# KiCad board current3x3A_Artiq.kicad_pcb (continued)
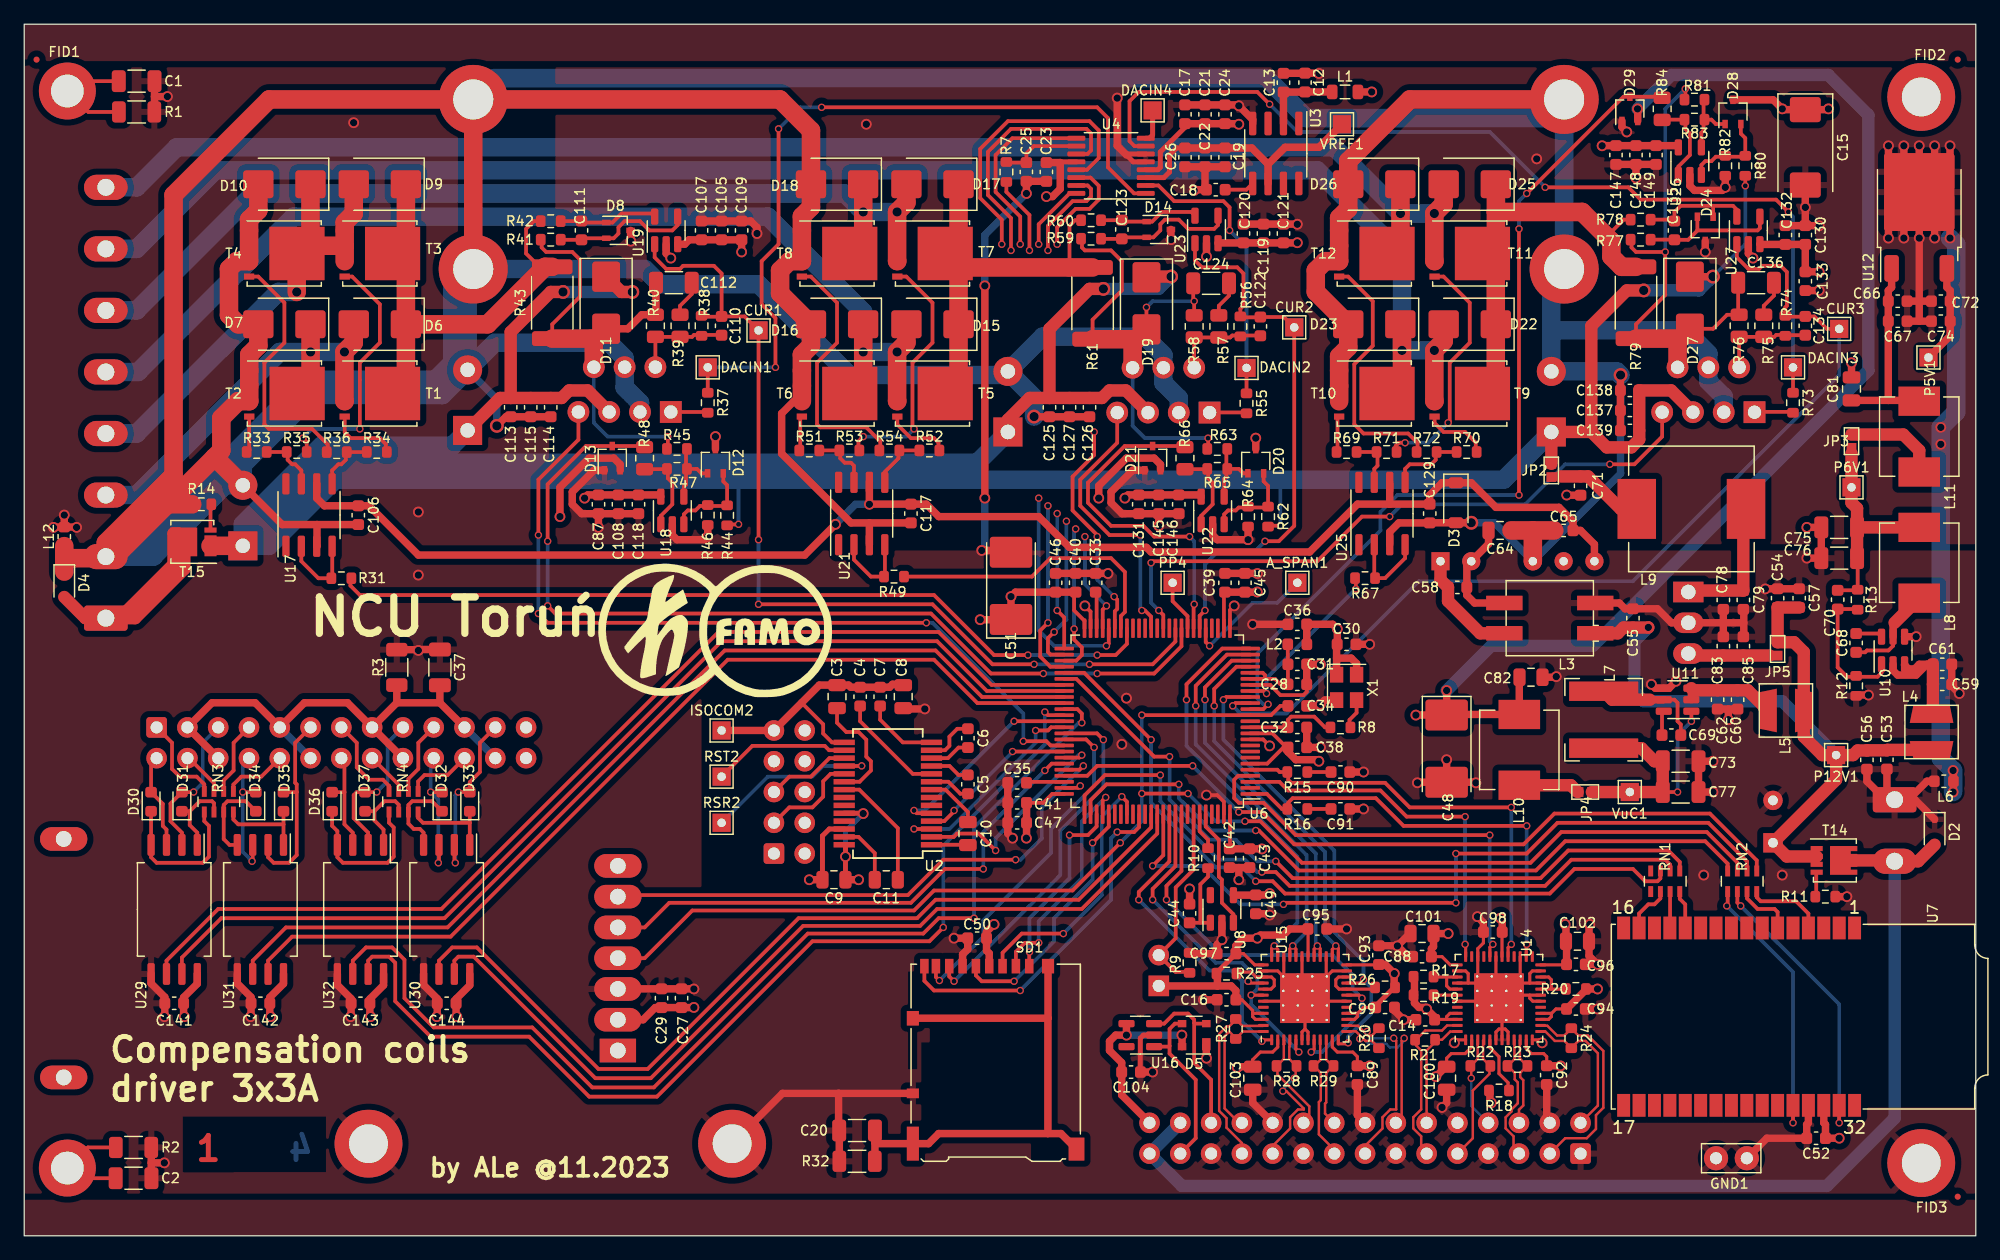
[diagram p0: board, top side]
## Via types
v1: diameter 0.889, hole 0.61, Top to Bottom, 165 vias
v2: diameter 0.61, hole 0.406, Top to Bottom, 176 vias
v3: diameter 1.143, hole 0.762, Top to Bottom, 21 vias

## Routing (per net, layer and track width the routed paths; a pad name or vN(x,y) marks a point on that pad's centre or on a via; arc(x,y) is an arc through that point)
+3V3: length 718
  Top w0.254: U15.24 111.73,22.36 C93.1 ; U15.15 109.76,17.86 109.98,18.08 109.98,18.34 ; U14.2 119.42,15.58 118.87,15.04 117.73,15.04 117.35,14.66 C100.1 ; U14.30 121.92,25.05 C98.1 ; U14.45 117.62,18.36 117.35,18.08 117.35,17.86 ; 109.98,18.34 110.49,18.85 C99.1 ; 109.98,18.34 109.96,18.36 U15.16 ; C92.1 125.6,14.78 125.35,15.04 124.33,15.04 123.92,15.45 U14.11 ; C95.1 105.91,25.31 U15.30 ; 101.35,18.34 101.35,18.08 101.57,17.86 U15.46 ; 101.35,18.34 101.35,18.59 100.46,19.48 C16.1 ; 101.35,18.34 101.37,18.36 U15.45 ; 125.98,18.34 125.96,18.36 U14.16 ; 125.98,18.34 126.36,18.72 C94.1 ; 125.98,18.34 125.98,18.08 125.76,17.86 U14.15 ; U15.37 101.52,22.36 100.58,23.29 C97.1 ; U14.24 127.2,22.36 C96.1 ; U14.46 117.35,17.86 ; 117.35,17.86 116.39,17.86 C14.1 ; U15.11 107.91,15.58 108.33,15.16 109.6,15.16 109.98,14.78 C89.1 ; C88.1 116.97,23.04 117.65,22.36 U14.37 ; U15.2 103.41,15.58 103,15.16 101.98,15.16 101.35,14.53 C103.1
  Top w0.305: C41.1 84.07,35.74 84.81,36.47 U6.75 ; C39.1 98.97,53.04 U6.27 ; C42.1 99.47,31.97 U6.100 ; C40.1 86.61,53 86.61,51.61 87.47,50.76 U6.50 ; 101.15,41.47 102.97,41.47 104.13,40.31 C38.1 103.89,40.31 102.55,38.97 101.15,38.97
  Top w0.406: C23.1 84.39,88.64 U4.12 ; C99.1 111.49,18.97 113.02,20.5 ; U2.28 67.75,32.17 v1(67.75,31.29) C9.1 ; C97.1 98.44,21.77 98.44,21.64 ; U2.24 69.19,34.88 v1(69.22,34.85)
  Top w0.61: v1(28.57,18.08) 28.51,18.15 C143.1 28.51,19.55 29.64,20.68 U32.8 ; 98.42,20.62 99.57,20.62 99.96,20.23 C16.1 ; 98.42,20.62 98.44,20.63 98.44,21.64 ; 98.42,20.62 93.6,20.62 BOOT0.1 ; C23.1 85.47,88.58 85.47,86.41 84.84,85.78 v1(84.33,85.78) ; D21.2 93.74,63.66 93.22,64.19 90.93,64.19 88.65,61.9 v1(88.65,60.88) ; C88.1 116.09,23.69 116.27,23.86 C101.1 v1(117.47,24.94) ; v1(82.68,32.82) 82.69,32.83 C47.1 C41.1 ; v1(121.79,26.21) 121.93,26.07 C98.1 ; C89.1 110.98,14.03 v1(111,14.02) ; v1(78.87,50.85) 81.39,50.85 C51.1 v1(81.41,52.76) 81.78,53.12 C46.1 C40.1 ; 52.56,18.85 C29.1 ; C29.1 52.06,18.83 51.05,17.83 U5.2 ; C29.1 C27.1 55.23,18.83 v1(55.24,18.85) ; C92.1 126.73,14.03 v1(126.75,14.02) ; C48.1 114.81,42.98 v1(114.81,42.98) ; C48.1 117.39,43.03 L10.1 123.34,46.09 C82.1 ; C48.1 v1(117.35,45.01) ; C93.1 112.28,22.39 v1(113.03,21.64) 113.02,21.63 113.02,20.5 ; v1(127.13,25.7) 127.19,25.64 C102.1 127.24,24.26 C96.1 ; C100.1 117.28,13.95 v1(116.46,13.13) ; v1(101.73,53.14) 101.71,53.12 C45.1 C39.1 ; v1(20.32,18.08) 20.26,18.15 C142.1 20.26,19.67 21.39,20.8 U31.8 ; 114.69,21.39 114.69,19.22 115.06,18.85 115.57,18.85 v1(115.7,18.72) 116.36,18.06 C14.1 ; v1(100.08,13.89) 100.14,13.95 C103.1 ; C42.1 C43.1 102.09,31.94 v1(102.11,31.93) ; v1(133.1,93.02) 133.11,93 D29.2 ; 108.27,47.68 108.27,48.77 C30.1 108.33,48.83 v1(108.33,50.09) 107.95,50.47 C36.1 105.8,48.83 L2.2 ; 108.27,47.68 109.47,47.68 109.92,47.23 X1.4 ; 108.27,47.68 X1.1 ; v1(80.01,25.7) 79.39,25.08 C50.1 79.39,23.53 79.61,23.31 SD1.4 ; v1(13.21,18.08) 13.15,18.15 C141.1 13.15,19.67 14.28,20.8 U29.8 ; 120.92,11.99 120.92,11.09 v1(121.03,10.97) ; U7.30 148.46,9.32 148.6,9.18 C52.1 v1(149.73,8.05) ; U8.4 101.58,28.11 C49.1 102.63,28.13 v1(102.74,28.25) ; v1(106.81,39.17) 106.68,39.29 104.9,39.29 104.25,39.94 C38.1 ; v1(44.2,59.36) 44.2,61.77 46.61,64.19 48.64,64.19 49.16,63.66 D13.2 ; C97.1 99.96,23.94 100.58,24.56 v1(101.73,24.56) 101.98,24.82 103.89,24.82 104.39,25.32 C95.1 ; U30.8 36.76,20.68 35.62,19.55 C144.1 35.62,18.15 v1(35.69,18.08) ; C9.1 v1(68.83,29.39) ; C94.1 127.25,18.72 128.77,20.23 128.77,20.37 v1(129.79,20.37)
  In2.Cu w0.61: v1(101.73,53.14) 104.78,50.09 v1(108.33,50.09) 108.33,49.45 v1(114.81,42.98) 111.24,39.41 ; v1(44.2,59.36) 52.45,51.1 70.48,51.1 71.25,51.87 ; v1(106.81,39.17) 97.79,39.17 91.06,45.9 91.06,58.47 v1(88.65,60.88) ; v1(106.81,39.17) 106.81,36.63 v1(102.11,31.93) 101.6,31.42 82.68,31.42 ; v1(106.81,39.17) 107.05,39.41 111.24,39.41 ; 111.51,28.25 v1(102.74,28.25) 101.73,27.23 v1(101.73,24.56) 97.79,20.62 BOOT0.1 ; 111.51,28.25 114.17,28.25 v1(117.47,24.94) 120.52,24.94 v1(121.79,26.21) 126.62,26.21 v1(127.13,25.7) 127.13,23.04 v1(129.79,20.37) ; 111.51,28.25 111.39,28.36 111.39,39.26 111.24,39.41 ; v1(81.41,52.76) 81.41,50.85 v1(78.87,50.85) 77.85,51.87 71.25,51.87 ; v1(149.73,8.05) 137.41,20.37 v1(129.79,20.37) ; v1(113.03,21.64) 115.7,18.97 v1(115.7,18.72) 115.7,13.89 v1(116.46,13.13) ; v1(129.79,20.37) 126.75,17.32 v1(126.75,14.02) 123.7,10.97 v1(121.03,10.97) 118.62,10.97 v1(116.46,13.13) ; 82.68,31.42 v1(82.68,32.82) ; 82.68,31.42 82.68,29.39 v1(68.83,29.39) ; v1(13.21,18.08) 15.88,15.42 17.65,15.42 v1(20.32,18.08) 22.99,15.42 25.91,15.42 v1(28.57,18.08) 31.24,15.42 33.02,15.42 v1(35.69,18.08) 35.94,17.83 U5.2 ; 71.25,51.87 71.25,36.88 v1(69.22,34.85) 68.83,34.47 v1(68.83,29.39) ; 80.01,29.39 v1(80.01,25.7) ; v1(68.83,29.39) 58.29,18.85 v1(55.24,18.85) ; v1(116.46,13.13) 111.89,13.13 v1(111,14.02) 100.2,14.02 v1(100.08,13.89)
  In2.Cu w1.016: v1(78.87,50.85) 77.72,51.99 77.72,81.08 80.77,84.12 82.68,84.12 v1(84.33,85.78)
  Bottom w0.406: v1(67.75,31.29) 67.75,33.39 v1(69.22,34.85)
  Bottom w1.016: v1(117.35,45.01) 121.03,48.69 129.41,48.69 152.15,71.42 152.15,92.51 148.84,95.81 135.89,95.81 v1(133.1,93.02)
+5VA: length 262.7
  Top w0.406: U4.4 93.53,87.99 93.73,88.19 93.73,89.46 95.76,91.49 C17.1
  Top w0.61: v1(59.18,81.2) C109.1 C105.1 C107.1 54.85,82.21 54.49,81.84 53.91,81.84 ; v1(130.18,89.97) 130.19,89.98 C147.1 C148.2 C149.1 136.32,89.98 U26.5 ; U22.5 96.95,61.15 91.07,61.15 v1(90.81,60.88) ; v1(148.84,93.02) 148.78,92.95 C15.1 145.1,92.95 v1(145.03,93.02) 144.29,93.76 D28.3 ; v1(46.23,60.88) 46.49,61.15 52.37,61.15 U18.5 ; v1(105.03,81.97) 105.02,81.95 98.52,81.95 U23.3 ; D20.3 v1(101.6,65.84) ; U27.3 143.21,81.83 C132.1 C130.1 C133.1 148.07,79.57 v1(148.08,79.55) ; P5V1.1 158.89,74.28 C74.1 C72.2 158.89,78.02 158.62,78.29 U12.3 ; 110.07,94.41 v1(111.17,94.41) ; D12.3 v1(57.02,65.96) ; v1(100.2,91.75) 100.16,91.79 C24.1 C21.1 C17.1
  In2.Cu w0.61: v1(90.81,60.88) 96.65,60.88 v1(101.6,65.84) 102.74,66.98 102.74,79.68 v1(105.03,81.97) 107.61,81.97 115.61,89.97 ; 115.61,89.97 v1(111.17,94.41) 108.5,91.75 v1(100.2,91.75) 73.15,91.75 62.61,81.2 v1(59.18,81.2) 58.67,80.7 58.67,67.62 v1(57.02,65.96) 51.94,60.88 v1(46.23,60.88) ; 115.61,89.97 v1(130.18,89.97) 141.99,89.97 v1(145.03,93.02) ; v1(148.84,93.02) 150.04,91.82 150.04,79.55 ; P5V1.1 150.04,79.55 ; 150.04,79.55 v1(148.08,79.55)
+6V: length 16.6
  Top w0.61: C81.1 153.8,68.95 ; 153.8,68.95 156.27,68.95 L11.1 ; 153.8,68.95 153.78,68.96 C66.1 C67.2 153.78,78.02 154.06,78.29 U12.1
+12V: length 68.1
  Top w1.016: P12V1.1 149.48,37.64 C63.1 145.4,31.31 T14.2 ; P12V1.1 150.88,39.67 151.26,40.06 C56.1 152.03,40.07 C53.1 153.71,40.1 L4.2 ; P12V1.1 148.34,39.67 146.81,41.2 L5.2 146.81,48.18 146.01,48.99 JP5.1 C54.1 C57.1 ; L3.1 131.47,49.73 131.94,50.2 C55.1 133.97,50.2 v1(133.99,50.22)
  Bottom w1.016: P12V1.1 145.03,44.12 133.6,44.12 132.84,44.88 132.84,49.07 v1(133.99,50.22)
+15V: length 333.5
  Top w0.305: 57.99,58.71 58.91,58.71 v2(58.93,58.73) ; 141.99,87.57 v2(141.99,86.66) ; v2(103.63,58.6) 103.62,58.61 102.62,58.61
  Top w0.61: v3(139.32,79.17) 139.31,79.16 D27.1
  Top w1.016: v3(133.6,78.03) 132.21,78.03 129.29,75.11 129.29,66.34 ; C113.1 C115.1 C114.1 44.34,69.15 44.96,69.77 46.48,69.77 U20.5 ; C113.1 39.26,69.15 C116.1 ; C113.1 40.13,74.6 43.43,77.9 v3(44.45,77.9) ; v3(89.03,78.16) 87.88,78.16 84.58,74.85 C125.1 ; 129.29,66.34 C140.1 JP2.2 ; 129.29,66.34 130.56,65.08 132.59,65.08 133.24,65.72 C139.1 C138.1 135.87,69.77 U28.5 ; D19.1 92.64,79.17 v3(94.61,79.17) ; v3(50.16,77.9) 49.27,77.9 D11.1 ; C125.1 82.94,69.15 81.15,67.36 C128.1 ; C125.1 C127.1 C126.1 88.91,69.15 89.53,69.77 90.88,69.77 U24.5
  Top w1.524: 15.37,56.95 C80.1
  Bottom w0.305: v2(103.63,58.6) 103.63,62.41 ; v3(139.32,79.17) 141.99,81.84 v2(141.99,86.66) ; v2(58.93,58.73) 58.93,62.41
  Bottom w1.016: v3(139.32,79.17) 138.18,78.03 v3(133.6,78.03) ; v3(94.61,79.17) 93.6,78.16 v3(89.03,78.16) ; v3(44.45,77.9) v3(50.16,77.9)
  Bottom w1.524: C140.1 122.05,62.41 25.65,62.41 20.19,56.95 C80.1 ; C80.1 18.29,56.95 25.15,63.8 78.61,63.8 C128.1 ; C80.1 18.03,58.73 24.51,65.2 35.31,65.2 C116.1
/Kasli interface/P3V3_MP: length 16.2
  Top w0.61: J5.30 90.54,11.62 C104.1 90.54,14.29 89.53,15.29 89.53,16.05 90.04,16.56 v1(90.93,16.56) 90.93,17.51 U16.4 ; v1(95.5,16.56) 95.52,16.55 D5.4
  Bottom w0.61: v1(95.5,16.56) v1(90.93,16.56)
/Power grid/3V_out: length 5
  Top w1.016: 128.16,36.63 127.6,37.19 L10.2
/Power grid/6V_out: length 7.9
  Top w1.016: JP3.1 155.03,66.13 156.34,64.82 L11.2
/Power grid/12V_pom: length 8
  Top w0.61: U11.2 U11.3
  Top w1.016: U11.3 137.71,45.02 C62.1 C60.1 142.2,45.02 L5.1
/Power grid/12V_pom1: length 11.2
  Top w0.61: U10.3 155.13,47.11 155.45,46.79 155.96,46.79 156.34,47.17 157.47,47.17 156.97,47.17 156.08,46.28 154.56,46.28 154.18,46.66 U10.2
  Top w1.016: L4.1 157.47,43.17 157.47,47.17
/Power grid/12V_pom2: length 9.3
  Top w1.016: U9.1 116.84,54.14 C58.1 117.46,52.39 120.12,49.73 L3.4
/Power grid/12V_pom3: length 7.4
  Top w0.61: JP5.2 144.65,47.89 143.98,47.89
  Top w1.016: U13.3 137.45,47.89 C83.1 C85.1 143.98,47.89
/Power grid/gnd_pom: length 9.5
  Top w0.61: L3.3 119.65,52.23 119.01,52.87 C58.2 119.01,55.31 U9.2 120.81,57.1 C64.2
GND: length 1314.1
  Top w0.254: U14.21 124.21,20.86 ; 124.21,20.86 124.21,21.64 124.42,21.86 U14.23 ; 124.21,20.86 122.92,20.86 U14.49 ; 121.92,17.07 121.67,17.07 121.42,16.82 U14.6 ; 121.92,17.07 U14.7 ; 121.92,17.07 122.17,17.07 122.42,16.83 U14.8 ; 121.92,17.07 121.92,19.36 U14.49 ; v1(117.98,15.93) 118.23,16.17 U14.1 ; U14.40 119.13,20.86 ; 119.13,20.86 120.42,20.86 U14.49 ; 119.13,20.86 119.13,21.64 118.91,21.86 U14.38 ; 124.21,19.86 121.92,19.86 U14.49 ; 124.21,19.86 U14.19 ; 124.21,19.86 124.21,19.61 124.46,19.36 U14.18 ; U14.49 123.42,21.46 U14.27 ; U14.49 121.42,19.36 U14.43 ; U14.49 121.42,19.86 U14.31 ; U15.43 105.41,19.36 U15.49 ; U15.34 103.91,21.46 U15.49 103.41,21.86 U15.38 ; 105.66,17.07 105.91,16.82 U15.7 ; 105.66,17.07 U15.49 ; 105.66,17.07 105.41,16.82 U15.6 ; U15.49 105.91,19.36 U15.18 ; U15.49 105.41,19.86 U15.31 ; U14.49 119.92,21.46 U14.34 119.92,23.7 120.38,24.17 C98.2 ; v1(125.22,15.93) 124.98,16.17 U14.12 ; U15.27 107.41,21.46 U15.49 107.91,21.86 U15.23
  Top w0.305: v1(99.82,51.99) 99.47,51.64 U6.26 ; U6.99 98.97,35.83 98.42,36.37 v1(97.54,36.37) ; v1(87.5,51.99) 87.97,51.52 U6.49 ; v2(87.12,37.13) 86.96,36.97 U6.74 ; 101.15,40.97 102.21,40.97 v1(102.74,40.44)
  Top w0.406: U2.26 66.42,33.58 65.85,33.01 C9.2 ; U16.2 92.33,16.56 92.08,16.31 92.08,13.53 C104.2
  Top w0.61: C1.2 10.75,94.03 ; 10.75,94.03 v1(11.81,94.03) ; 10.75,94.03 10.75,92.77 R1.2 ; C16.2 v1(97.28,19.48) ; v1(110.49,38.28) C90.2 ; C81.2 v1(150.75,72.06) ; J5.16 109.98,9.96 C89.2 ; C48.2 v1(117.35,39.29) ; C48.2 114.98,37.43 v1(114.94,37.39) ; C48.2 119.72,37.43 v1(119.76,37.39) ; v1(79.25,78.41) v1(79.25,60.88) ; C53.2 153.67,36.63 J3.1 ; D2.1 155.99,35.99 J3.1 ; L6.1 156.97,37.52 155.45,35.99 J3.1 ; J3.1 153.54,35.99 152.02,37.52 C56.2 ; SD1.6 77.41,23.23 77.84,23.66 C50.2 v1(76.71,24.56) ; v1(96.14,28.63) C44.2 ; 72.52,43.55 72.58,43.48 v1(74.3,43.48) ; R3.2 32.45,48.38 v1(32.51,48.31) 32.59,48.39 C37.2 ; C96.2 v1(129.79,22.4) 129.09,23.1 C102.2 129.09,25.64 v1(129.16,25.7) ; v1(116.97,10.59) 117.35,10.97 117.35,12.06 ; GND1.1 143.76,8.05 C52.2 147.05,9.18 147.19,9.32 U7.29 ; X1.2 107.28,44.21 v1(106.93,43.87) 106.81,43.74 C34.1 ; 96.14,23.28 96.15,23.29 C97.2 98.41,24.04 v1(98.81,24.44) U8.2 ; C92.2 125.6,9.58 J5.4 ; R2.2 10.48,6.02 ; 10.48,6.02 10.48,4.76 C2.2 ; 10.48,6.02 v1(11.56,6.02) ; 140.59,43.47 v1(140.59,42.6) ; 140.59,43.47 C60.2 ; 140.59,43.47 C62.2 ; v1(147.07,55.93) C76.2 C75.2 v1(147.07,58.47) ; C23.2 C25.2 v1(82.68,86.03) ; C85.2 141.86,49.48 141.86,50.6 ; v1(81.53,32.82) 81.14,33.21 C47.2 C41.2 C35.1 ; C91.2 v1(110.49,35.23) ; C93.2 113.27,23.94 v1(113.28,23.93) ; J5.22 101.35,10.97 101.35,12.06 ; v1(156.08,49.45) 156.08,49.45 U10.4 ; C78.2 140.18,50.69 140.08,50.6 ; C57.2 C54.2 143.65,53.4 v1(143.64,53.39) ; C98.2 120.38,25.84 v1(119.89,26.34) ; v1(55.24,20.37) 55.23,20.38 C27.2 C29.2 48.99,20.38 U5.3 ; C9.2 v1(64.77,29.39) ; C61.2 C59.2 159.02,45.38 v1(159.64,44.76) ; C39.2 C45.2 101.71,54.67 v1(101.73,54.66) ; v1(126.39,46.15) 126.34,46.1 C82.2 ; C14.2 v1(113.79,17.83) 113.04,18.58 C99.2 ; C94.2 v1(129.79,18.72) ; 140.08,50.6 140.18,50.5 C83.2 ; 140.08,50.6 141.86,50.6 ; 140.08,50.6 U13.2 135.89,50.6 134.73,51.75 C55.2 132.07,51.75 131.59,52.23 L3.2 ; v1(2.41,58.47) 2.44,58.5 L12.1 ; v1(18.67,18.08) 18.71,18.12 C142.2 18.71,19.7 17.58,20.83 U31.5 ; C30.2 v1(111,48.82) ; v1(11.56,18.08) 11.6,18.12 C141.2 11.6,19.7 10.47,20.83 U29.5 ; SD1.10 67.18,11.75 ; 67.18,11.75 62.55,11.75 H6.1 ; 67.18,11.75 67.18,8.74 C20.1 67.24,8.67 R32.1 ; 151.13,44.64 152.13,44.64 v1(152.15,44.63) ; C32.2 C38.2 v1(106.93,40.31) ; C36.2 v1(101.35,50.47) ; v1(102.74,26.47) 102.63,26.58 C49.2 ; v1(139.32,36.63) 138.13,36.63 138.13,39.17 v1(139.32,39.17) ; 141.86,50.6 141.86,51.67 C79.2 ; v1(4.32,58.47) 4.29,58.5 L12.1 ; v1(136.27,45.77) 135.7,45.2 U11.4 134.56,45.2 v1(134.24,45.52) ; v1(26.92,18.08) 26.96,18.12 C143.2 26.96,19.57 25.83,20.7 U32.5 ; L12.1 v1(3.3,59.49) ; C51.2 81.26,56.57 v1(78.99,56.57) ; v1(89.41,54.66) 89.39,54.67 C33.1 C46.2 ; 149.34,27.99 v1(150.37,27.99) ; C104.2 v1(93.09,13.51) ; C95.2 v1(109.09,25.32) ; C101.2 114.3,24.94 v1(113.28,23.93) ; U30.5 32.95,20.7 34.08,19.57 C144.2 34.08,18.12 v1(34.04,18.08) ; v1(113.28,23.93) 114.17,23.04 C88.2 ; D5.1 97.52,14.67 v1(97.54,14.66) ; 99.44,30.39 101.09,30.39 ; v1(100.2,29.39) 100.2,30.39 ; v1(127.25,61.14) 127.27,61.12 C71.2
  In1.Cu w0.406: U15.49 U15.49 ; U15.49 U15.49 ; U15.49 U15.49 U15.49 U15.49 U15.49 ; U15.49 U15.49 U15.49 U15.49 U15.49
  In1.Cu w0.61: v1(101.73,54.66) 99.82,52.76 v1(99.82,51.99) v1(101.35,50.47) 103,48.82 v1(111,48.82) 111,47.93 v1(106.93,43.87) v1(106.93,40.31) ; v1(97.54,14.66) 97.54,19.23 v1(97.28,19.48) 97.28,22.91 v1(98.81,24.44) 98.81,25.96 v1(96.14,28.63) ; v1(97.54,14.66) 97.66,14.66 J5.22 105.92,12.24 107.7,12.24 J5.16 113.41,12.12 116.97,12.12 ; v1(97.54,14.66) 96.39,13.51 v1(93.09,13.51) ; 18.8,15.42 27.05,15.42 ; 18.8,15.42 18.67,15.55 v1(18.67,18.08) ; 18.8,15.42 11.56,15.42 ; 27.05,15.42 31.37,15.42 v1(34.04,18.08) 36.32,20.37 U5.3 ; 27.05,15.42 26.92,15.55 v1(26.92,18.08) ; v1(117.98,15.93) 117.98,12.12 ; v1(117.98,15.93) U14.49 ; v1(117.98,15.93) 115.7,15.93 v1(113.79,17.83) 113.77,17.81 U15.49 ; 117.98,12.12 116.97,12.12 ; 117.98,12.12 123.06,12.12 J5.4 128.67,12.14 150.37,12.14 ; 150.37,12.14 H8.1 154.23,3.73 144.78,3.73 GND1.1 140.84,5.13 GND1.1 137.03,3.86 133.48,3.86 130.56,6.78 J5.1 128.4,5.13 127.13,3.86 123.7,3.86 J5.7 117.86,3.86 116.08,3.86 J5.13 110.24,3.86 108.46,3.86 J5.19 102.62,3.86 100.84,3.86 J5.25 95,3.86 89.41,3.86 ; 150.37,12.14 v1(150.37,27.99) 150.37,32.06 J3.1 ; v1(96.14,28.63) 89.92,28.63 87.12,31.42 v2(87.12,37.13) v1(90.55,40.56) 90.55,43.99 v1(90.93,44.37) ; v1(96.14,28.63) 96.9,29.39 ; 135.51,32.82 v1(139.32,36.63) ; 135.51,32.82 v1(138.56,29.77) v1(145.03,29.77) ; 135.51,32.82 129.16,26.47 v1(129.16,25.7) ; v1(139.32,36.63) v1(139.32,39.17) 139.32,41.33 v1(140.59,42.6) ; v1(139.32,36.63) 140.01,35.94 C63.2 154.25,35.94 J3.1 ; 96.9,29.39 96.9,35.74 v1(97.54,36.37) 109.35,36.37 v1(110.49,35.23) 112.78,35.23 v1(114.94,37.39) 114.05,38.28 v1(110.49,38.28) ; 96.9,29.39 v1(100.2,29.39) ; 11.56,15.42 v1(11.56,6.02) 13.72,3.86 24.66,3.86 H4.1 32.14,3.86 54.61,3.86 58.35,7.6 H6.1 62.14,3.86 89.41,3.86 ; 11.56,15.42 v1(11.56,18.08) 11.56,30.02 3.3,38.28 3.3,48.31 ; 156.08,47.55 v1(156.08,49.45) 153.54,49.45 v1(147.07,55.93) 146.18,55.93 v1(143.64,53.39) 140.84,50.6 ; 156.08,47.55 158.88,44.76 v1(159.64,44.76) ; 156.08,47.55 153.16,44.63 v1(152.15,44.63) 152.15,38.15 J3.1 ; v1(93.09,13.51) 89.41,9.83 89.41,3.86 ; v1(93.09,13.51) 85.85,13.51 76.71,22.66 v1(76.71,24.56) ; v1(106.93,40.31) 102.87,40.31 v1(102.74,40.44) ; v1(106.93,40.31) 116.33,40.31 v1(117.35,39.29) ; 3.3,48.31 v1(32.51,48.31) v1(32.51,54.53) v1(32.51,59.74) ; 3.3,48.31 v1(3.3,59.49) 3.3,87.43 9.91,94.03 v1(11.81,94.03) 25.02,94.03 v1(27.18,91.87) ; v1(134.24,45.52) 133.6,46.15 v1(126.39,46.15) 126.39,44.02 v1(119.76,37.39) ; v1(119.89,26.34) 119.87,26.32 U14.49 117.35,23.93 v1(113.28,23.93) 110.49,23.93 v1(109.09,25.32) 103.89,25.32 v1(102.74,26.47) ; 140.84,50.6 140.77,50.52 140.77,46.1 136.6,46.1 v1(136.27,45.77) ; 140.84,50.6 U13.2 136.14,50.6 133.73,53.01 133.73,57.2 129.79,61.14 v1(127.25,61.14) ; 116.97,12.12 v1(116.97,10.59) J5.10 ; v1(4.32,58.47) v1(2.41,58.47) ; v1(76.71,24.56) 76.71,32.82 ; v1(76.71,24.56) 69.6,24.56 v1(64.77,29.39) 55.75,20.37 v1(55.24,20.37) ; 76.71,32.82 74.3,35.23 v1(74.3,43.48) 76.58,45.77 76.58,54.15 v1(78.99,56.57) 80.9,54.66 v1(89.41,54.66) 87.5,52.76 v1(87.5,51.99) ; 76.71,32.82 v1(81.53,32.82) ; v1(129.79,22.4) 124.46,22.4 U14.49 ; v1(129.79,18.72) 127,15.93 v1(125.22,15.93) 123.47,17.68 U14.49
  In1.Cu w1.016: v1(150.75,72.06) 147.07,68.38 v1(147.07,58.47) 156.59,58.47 160.15,62.03 160.15,90.98 157.13,94 H7.1
  In1.Cu w1.524: v1(147.07,58.47) v1(147.07,55.93)
  Bottom w0.61: v1(82.68,86.03) 79.25,82.6 v1(79.25,78.41) ; v1(79.25,60.88) 79.25,56.82 v1(78.99,56.57)
GNDA: length 459.8
  Top w0.305: C28.1 105.8,44.9 105.54,44.63 103.63,44.63 102.79,45.47 101.15,45.47
  Top w0.406: U4.6 91.02,89.29 90.93,89.2 91.5,88.64 U4.5
  Top w0.61: C17.2 C21.2 C24.2 100.13,93.34 v1(100.2,93.27) 101.35,92.13 U3.4 ; 156.34,77.14 v1(156.34,82.35) U12.2 v1(156.34,89.97) ; 156.34,77.14 C67.1 ; 156.34,77.14 156.34,75.49 ; 156.34,77.14 C72.1 ; v1(106.93,47.17) C31.2 C28.1 ; U27.2 142.24,81.08 v1(142.62,80.7) ; v1(106.81,95.94) 106.78,95.96 C12.2 105.65,95.95 103.89,95.95 ; U23.2 v1(97.54,80.82) ; C145.1 v1(93.6,58.6) ; C145.1 C131.2 90.56,59.6 89.66,60.5 89.66,61.39 91.46,63.19 D21.1 ; C145.1 C146.2 ; D29.1 131.81,91.51 v1(132.21,91.11) ; v1(158.88,82.35) 158.88,83.46 U12.2 157.61,84.22 v1(157.61,82.35) ; C147.2 C148.1 ; C148.1 v1(132.97,87.3) ; C148.1 C149.2 ; C120.2 C119.2 C121.2 105.02,83.5 v1(105.03,83.49) ; 100.97,58.61 v1(100.97,57.45) 98.42,57.45 98.04,57.84 U22.2 ; C22.2 97.41,86.46 C18.1 96.58,86.34 v1(96.52,86.28) ; C22.2 C26.2 ; C22.2 C19.2 ; C130.2 C132.2 ; C130.2 v1(146.94,84.89) C15.2 ; C130.2 148.07,83.38 v1(148.08,83.36) ; U19.2 52.96,81.08 v1(53.34,80.7) ; v1(158.88,89.97) 158.88,88.84 U12.2 157.61,88.08 v1(157.61,89.97) ; v1(94.61,82.22) 94.6,82.24 D14.3 ; 140.34,87.57 v1(140.34,86.54) 140.08,86.28 137.79,86.28 137.41,86.66 U26.2 ; C133.2 148.07,78.02 v1(148.08,78.03) ; v1(159.13,36.63) 159.16,36.65 L6.2 159.16,38.38 v1(159.13,38.41) ; U18.2 53.47,57.84 53.85,57.45 56.13,57.45 v1(56.39,57.71) 56.39,58.74 ; C87.2 45.99,59.6 45.21,60.38 45.21,61.39 47.01,63.19 D13.1 ; C87.2 C108.1 C118.2 ; C87.2 v1(47.37,58.47) ; 156.34,75.49 C74.2 ; 156.34,75.49 C66.2 ; v1(50.04,82.09) 50.02,82.11 D8.3 ; v1(153.8,89.97) 153.8,88.84 U12.2 155.07,88.08 v1(155.07,89.97) ; v1(155.07,82.35) 155.07,84.22 U12.2 153.8,83.46 v1(153.8,82.35) ; 90.93,89.2 90.17,89.97 v1(90.17,93.9) ; 55.88,83.76 59.93,83.76 60.45,83.24 v1(60.45,82.73) ; D24.3 v1(138.68,81.2)
  In1.Cu w0.61: v1(53.34,80.7) 58.67,75.36 58.67,59.99 v1(56.39,57.71) 48.13,57.71 v1(47.37,58.47) ; v1(53.34,80.7) 51.94,82.09 v1(50.04,82.09) ; v1(53.34,80.7) 55.37,82.73 v1(60.45,82.73) 71.63,93.9 v1(90.17,93.9) ; v1(132.97,87.3) 133.73,86.54 v1(140.34,86.54) 138.68,84.89 v1(138.68,81.2) 139.19,80.7 v1(142.62,80.7) 145.29,83.36 146.94,83.36 ; v1(132.97,87.3) 132.97,90.35 v1(132.21,91.11) ; v1(132.97,87.3) 126.36,87.3 117.73,95.94 v1(106.81,95.94) 102.87,95.94 v1(100.2,93.27) 99.57,93.9 v1(90.17,93.9) ; v1(153.8,82.35) 149.48,78.03 v1(148.08,78.03) ; v1(153.8,82.35) v1(155.07,82.35) v1(156.34,82.35) v1(157.61,82.35) v1(158.88,82.35) ; v1(153.8,82.35) 152.78,83.36 v1(148.08,83.36) 146.94,83.36 ; 96.52,84.12 104.39,84.12 v1(105.03,83.49) 107.19,81.33 107.19,63.68 v1(100.97,57.45) 99.82,58.6 v1(93.6,58.6) ; 96.52,84.12 v1(94.61,82.22) ; 96.52,84.12 v1(96.52,86.28) 90.17,92.63 v1(90.17,93.9) ; v1(97.54,80.82) 97.54,84.12 ; 146.94,83.36 v1(146.94,84.89) 152.02,89.97 v1(153.8,89.97) v1(155.07,89.97) v1(156.34,89.97) v1(157.61,89.97) v1(158.88,89.97)
  In1.Cu w1.016: v1(100.97,57.45) 98.55,55.04 98.55,51.49 102.87,47.17 v1(106.93,47.17)
  Bottom w1.524: v1(158.88,82.35) 159.38,81.84 159.38,68 v1(158.12,66.73) v1(158.12,65.33) 158.12,39.42 v1(159.13,38.41) v1(159.13,36.63)
  vias: v1(69.47,91.75) v1(124.78,88.89)
P12V0: length 98.1
  Top w1.016: T14.5 154.23,30.98 J3.2 156.24,30.91 D2.2
  Bottom w1.016: J3.2 154.31,9.7 148.72,4.11 95.5,4.11 J5.29 J5.28
/controller+DAC/DAC4: length 2.7
  Top w0.406: U4.8 92.83,90.59 93.09,90.86 DACIN4.1
/controller+DAC/DAC_MOSI: length 58.9
  Top w0.305: U4.11 87.72,89.29 88.01,89.59 88.01,90.98 87.63,91.36 81.41,91.36 79.5,89.46 79.5,85.9 81.41,84 v2(81.41,81.33) ; U6.54 84.65,46.97 83.82,47.8 83.82,49.96 v2(84.45,50.6)
  In2.Cu w0.305: v2(81.41,81.33) 81.41,74.85 84.96,71.3 84.96,60.76 v2(84.45,60.25)
  Bottom w0.305: v2(84.45,50.6) v2(84.45,60.25)
/controller+DAC/DAC_RST: length 65.5
  Top w0.305: v2(89.28,48.69) 89.47,48.88 U6.46 ; v2(80.64,81.84) 80.64,83.87 78.87,85.65 78.87,89.71 81.15,92 87.88,92 88.65,91.24 88.65,88.95 87.69,87.99 U4.13
  In2.Cu w0.305: v2(83.69,60.88) 84.33,61.52 84.33,71.04 80.64,74.73 v2(80.64,81.84)
  Bottom w0.305: v2(89.28,48.69) 84.96,48.69 83.69,49.96 v2(83.69,60.88)
/controller+DAC/DAC_SCK: length 43.2
  Top w0.305: v2(84.96,49.84) 84.45,49.33 84.45,48.18 84.67,47.97 U6.52 ; v2(82.93,81.33) 82.93,84.25 81.03,86.16 81.03,87.06
  In2.Cu w0.305: v2(85.98,58.98) 86.23,59.23 86.23,71.81 82.93,75.11 v2(82.93,81.33)
  Bottom w0.305: v2(84.96,49.84) 85.98,50.85 v2(85.98,58.98)
/controller+DAC/ISOCOM: length 22
  Top w0.305: 64.14,43.99 65.91,42.22 65.91,41.45 66.64,40.73 U2.15
  Top w0.61: C8.1 72.45,45.52 71.63,45.52 71.39,45.28 C7.2 C4.2 68.19,45.28 68.01,45.45 65.59,45.45 61.85,41.71 ISOCOM2.1
/controller+DAC/LDAC: length 43
  Top w0.305: v2(86.61,50.09) 86.61,49.2 87.25,48.56 87.25,47.93 86.79,47.47 U6.53 ; U4.16 86.24,86.04 83.69,83.49 v2(83.69,81.84)
  In2.Cu w0.305: v2(86.74,58.34) 86.87,58.47 86.87,72.06 83.69,75.23 v2(83.69,81.84)
  Bottom w0.305: v2(86.74,58.34) 86.61,58.22 v2(86.61,50.09)
/controller+DAC/nucleo_746ZG/A_SPAN: length 11
  Top w0.305: U6.30 97.47,49.01 v2(97.79,48.69)
  Bottom w0.305: v2(97.79,48.69) 101.35,52.25 103.38,52.25 A_SPAN1.1
/controller+DAC/nucleo_746ZG/EEP_SCL: length 3.2
  Top w0.305: 97.66,31.92 97.66,32.69 96.97,33.38 U6.95
/controller+DAC/nucleo_746ZG/EEP_SDA: length 9.9
  Top w0.305: U6.96 97.47,33.77 98.55,32.69 98.55,29.64 98.81,29.39 98.81,27.48 99.76,26.53 U8.3
/controller+DAC/nucleo_746ZG/JTCK-SWCLK: length 57.2
  Top w0.305: U6.76 87.47,36.34 89.15,38.02 v2(93.73,38.02) ; v2(102.11,30.02) 103.25,30.02 104.39,28.88 125.48,28.88 127.64,31.04 135.38,31.04 135.78,30.64 135.78,30.11
  Bottom w0.305: v2(102.11,30.02) 101.73,30.02 100.71,31.04 98.55,31.04 93.73,35.86 v2(93.73,38.02)
/controller+DAC/nucleo_746ZG/JTDI: length 60.2
  Top w0.305: v2(95.25,37.26) 89.28,37.26 87.97,35.95 U6.77 ; v2(101.6,33.45) 101.85,33.45 105.16,30.15 124.71,30.15 127.13,32.56 138.68,32.56 140.53,30.72 140.53,30.11
  Bottom w0.305: v2(95.25,37.26) 95.25,36.12 97.92,33.45 v2(101.6,33.45)
/controller+DAC/nucleo_746ZG/JTDO-SWO: length 62.3
  Top w0.305: 142.13,30.11 142.13,30.89 138.94,34.09 126.49,34.09 123.95,31.55 v2(118.11,31.55) ; v2(118.11,27.48) 104.01,27.48 v2(103.89,27.36) ; U6.89 93.97,31.41 v2(93.09,30.53)
  Bottom w0.305: v2(103.89,27.36) 100.33,27.36 97.16,30.53 v2(93.09,30.53) ; v2(118.11,27.48) v2(118.11,31.55)
/controller+DAC/nucleo_746ZG/JTMS-SWDIO: length 63.7
  Top w0.305: 142.93,30.11 142.93,30.98 139.06,34.85 126.24,34.85 123.7,32.31 104.78,32.31 102.11,34.98 v2(100.2,34.98) ; U6.72 87.7,37.97 88.52,38.79 v2(96.39,38.79)
  Bottom w0.305: v2(96.39,38.79) v2(100.2,34.98)
/controller+DAC/nucleo_746ZG/NRST: length 123.3
  Top w0.305: C34.2 103.63,43.74 102.86,42.97 92.21,42.97 v2(92.2,42.98) ; v2(100.71,34.21) 101.98,34.21 105.41,30.78 124.27,30.78 126.81,33.33 138.81,33.33 141.33,30.8 141.33,30.11 ; U5.4 51.18,22.91 55.12,26.85 73.41,26.85 75.06,28.5 86.49,28.5 v2(90.42,32.44) ; v2(96.01,36.5) v2(92.2,36.5)
  Bottom w0.305: v2(90.42,32.44) 92.2,34.21 v2(92.2,42.98) ; v2(96.01,36.5) 98.3,34.21 v2(100.71,34.21)
/controller+DAC/nucleo_746ZG/PP4: length 4.3
  Top w0.305: PP4.1 94.74,52.38 95.97,51.15 U6.33
/controller+DAC/nucleo_746ZG/SD_CK: length 21.1
  Top w0.305: v2(88.14,32.44) 89.47,33.77 U6.80 ; v2(81.66,21.01) 78.99,21.01 78.51,21.49 SD1.5
  Bottom w0.305: v2(81.66,21.01) 84.96,24.31 84.96,26.21 88.14,29.39 v2(88.14,32.44)
/controller+DAC/nucleo_746ZG/SD_CMD: length 21.7
  Top w0.305: U6.83 90.97,35.83 v2(90.55,36.25) ; v2(85.72,24.94) 82.3,24.94 80.71,23.36 SD1.3
  Bottom w0.305: v2(85.72,24.94) 88.9,28.12 88.9,34.59 v2(90.55,36.25)
/controller+DAC/nucleo_746ZG/SD_D0: length 29.9
  Top w0.305: v2(89.03,40.95) 88.5,41.47 U6.65 ; SD1.7 76.31,21.4 v2(76.71,21.01)
  Bottom w0.305: v2(89.03,40.95) 89.03,37.01 85.47,33.45 85.47,29.77 v2(76.71,21.01)
/controller+DAC/nucleo_746ZG/SD_D1: length 28.6
  Top w0.305: SD1.8 75.21,21.36 v2(75.5,21.07) ; v2(88.27,40.31) 87.61,40.97 U6.66
  Bottom w0.305: v2(75.5,21.07) 79.12,24.69 79.12,26.02 84.71,31.61 84.71,33.58 88.27,37.13 v2(88.27,40.31)